# Altium PCB AAS_module_rev1_2_model.PcbDoc
Units mm, origin at the board's own origin, x right, y up, seen from the top; angles counter-clockwise.
Board outline 73 x 73 mm, 2 copper layers (Component Side, Bottom Layer), stack 0.971 mm thick; 63 components, 81 nets, 314 pads, 0 vias.
Unrouted connection lines stored in the file: 137.
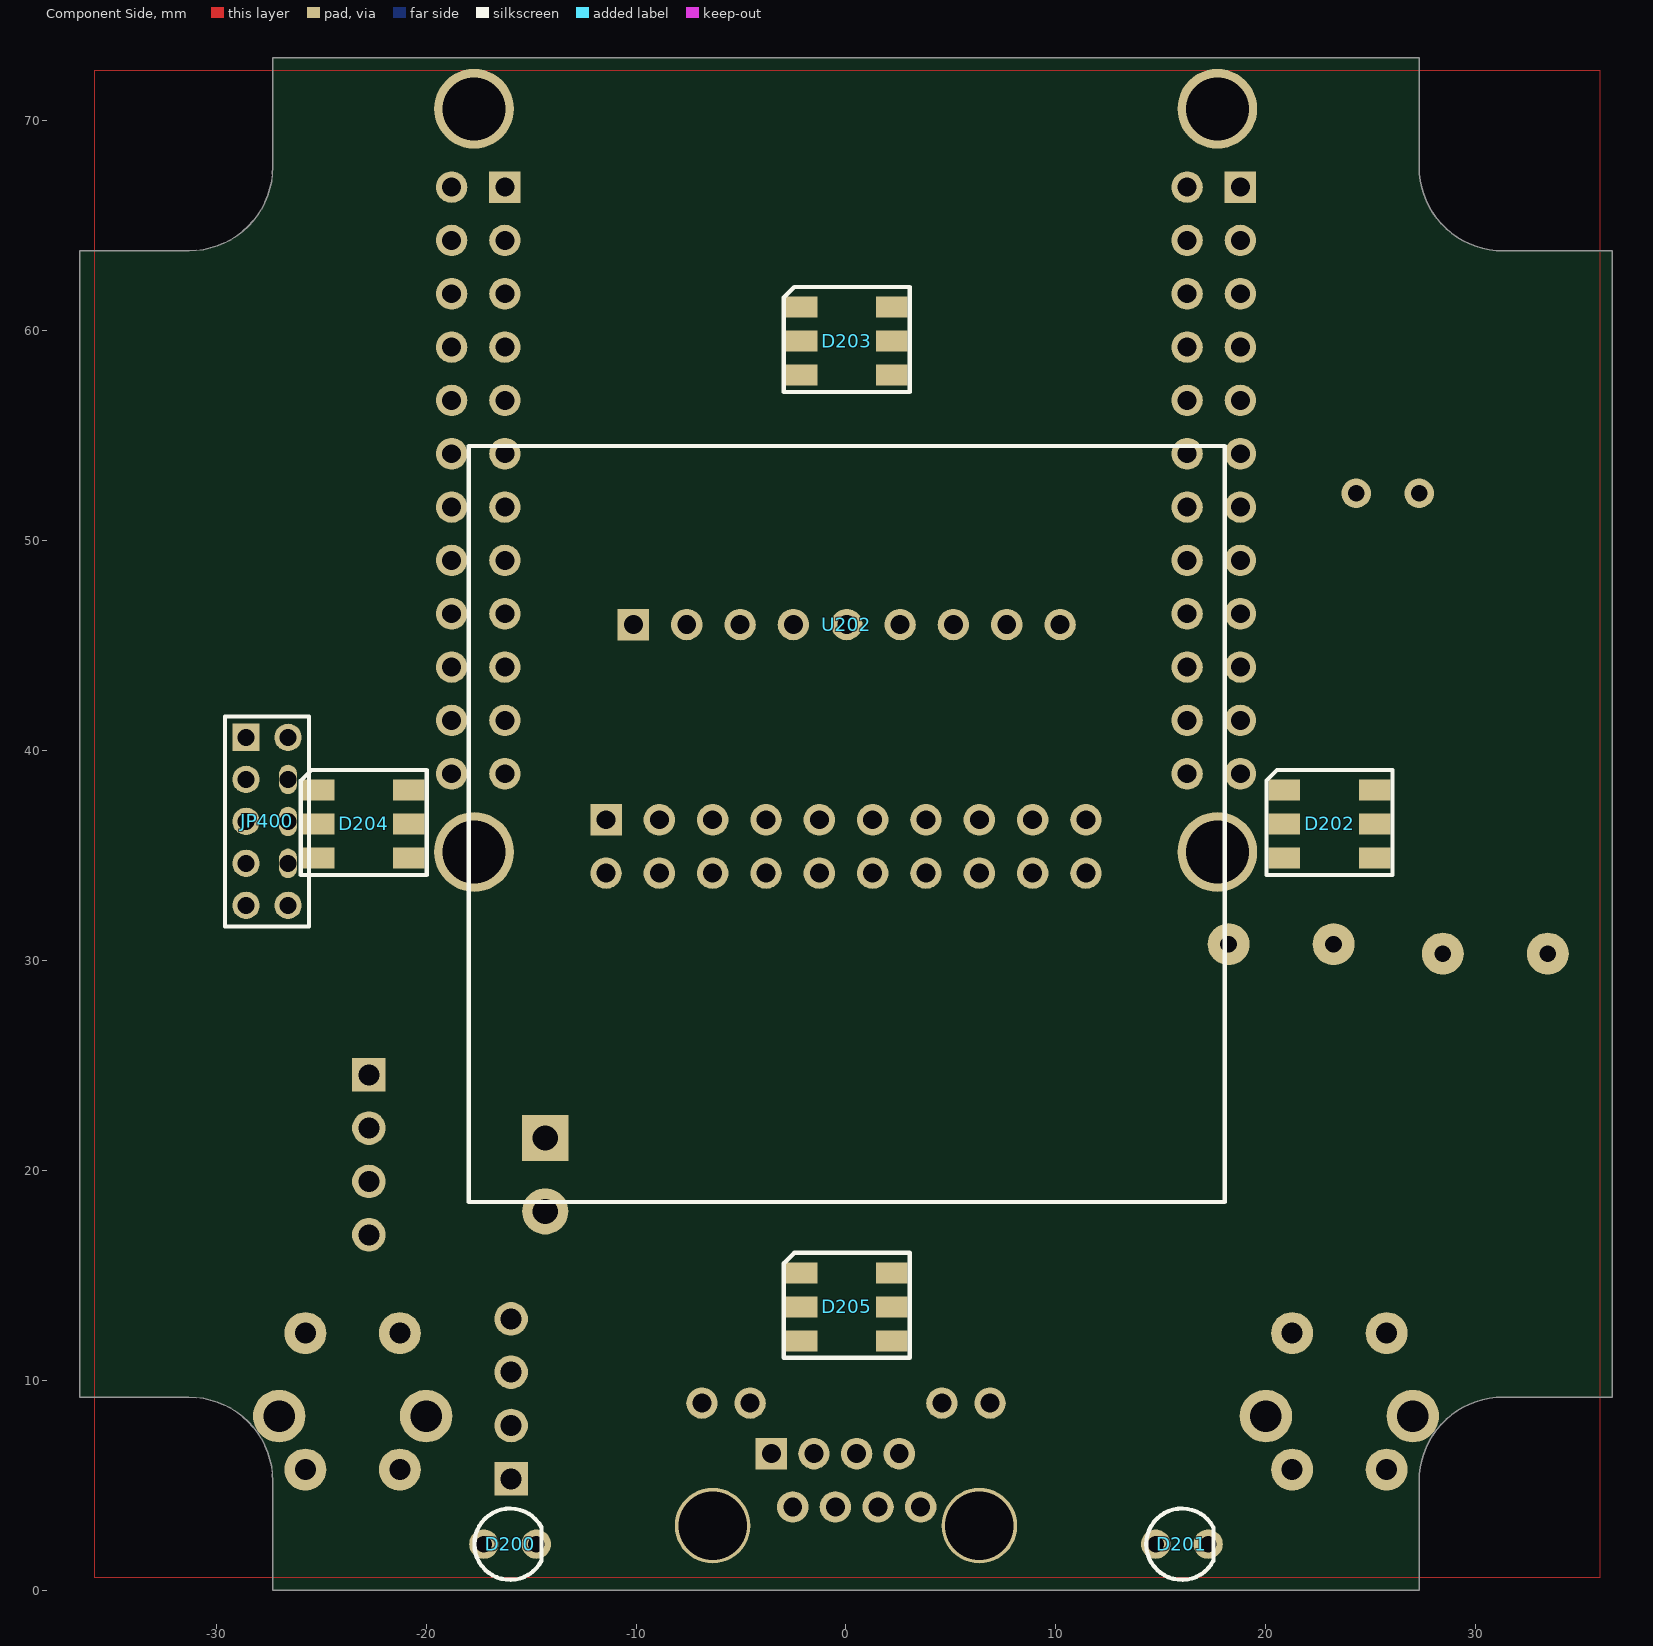
[diagram p0: Component Side view]
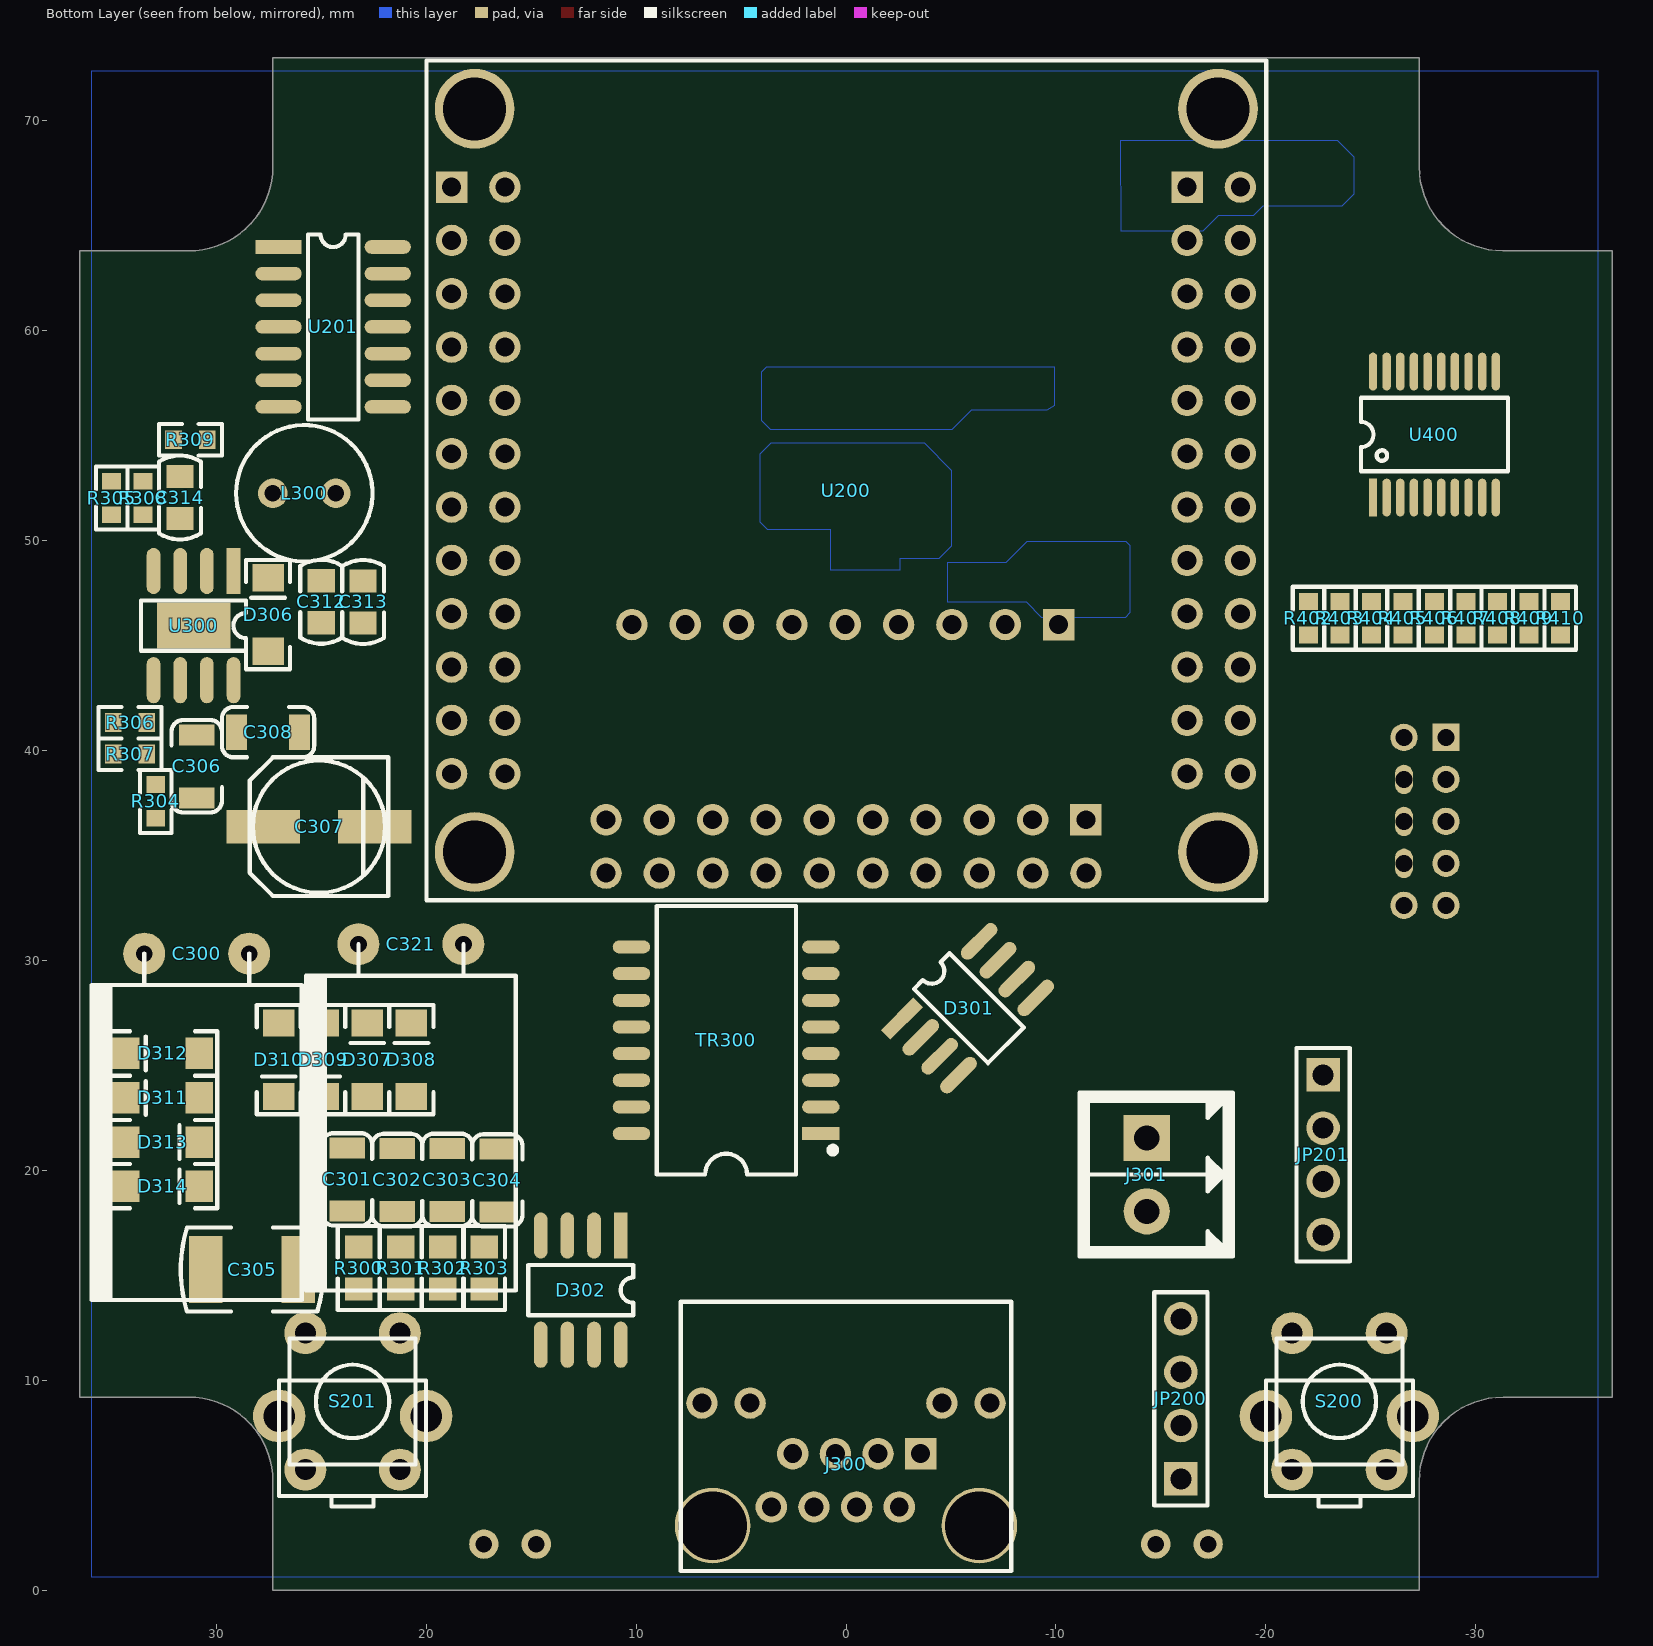
[diagram p1: Bottom Layer view, seen from below]

## Layer stack, top to bottom
Top Solder: solder mask 0.0102, Solder Resist, Dk 3.5
Component Side: signal copper 0.0356
Dielectric 1: core 0.9, FR-4, Dk 4.2
Bottom Layer: signal copper 0.0356
Solder Side: solder mask 0.0102, Solder Resist, Dk 3.5

## Board outline
-36.5,9.2 -31.3,9.2 cw(c-31.3,5.2) -27.3,5.2 -27.3,0 27.3,0 27.3,5.2 cw(c31.3,5.2) 31.3,9.2 36.5,9.2 36.5,63.8 31.3,63.8 cw(c31.3,67.8) 27.3,67.8 27.3,73 -27.3,73 -27.3,67.8 cw(c-31.3,67.8) -31.3,63.8 -36.5,63.8

## Design rules (kind name [scope] priority, off if disabled: settings)
Clearance pH_PROBE [InNetClass('pH_PROBE') vs not( HasFootprint('SOT-25') OR InNet('GND2'))] p1: gap=0.8 ignorepadtopadclearanceinfootprint=FALSE
Clearance "Polygons next to SMPS" [inPoly vs InNetClass('HIGH VOLTAGE')] p2: gap=0.2 ignorepadtopadclearanceinfootprint=FALSE
Clearance Outline [IsBoardCutoutRegion] p3: gap=0 ignorepadtopadclearanceinfootprint=FALSE
Clearance "Pod PMU" [HasFootprint('PMUE-R1.1')] p4: gap=0.2 ignorepadtopadclearanceinfootprint=FALSE
Clearance "AC Input - HV" [InNetClass('AC INPUT') vs InNetClass('HIGH VOLTAGE')] p5: gap=3.2 ignorepadtopadclearanceinfootprint=FALSE
Clearance HV-LV [InNetClass('HIGH VOLTAGE') vs not InNetClass('HIGH VOLTAGE')] p6: gap=8.2 ignorepadtopadclearanceinfootprint=FALSE
Clearance N [InNet('N') vs not( InNet('N') OR HasFootprint('R1206_S') OR InNet('NetR17_2'))] p7: gap=3 ignorepadtopadclearanceinfootprint=FALSE
Clearance "Relay COM and NO" [InNetClass('RELAY_COM') vs InNetClass('RELAY_NO')] p8: gap=1.5 ignorepadtopadclearanceinfootprint=FALSE
Clearance Global [All] p9: gap=0.2 ignorepadtopadclearanceinfootprint=FALSE except(0: Arc-Hole Track-Hole SMDPad-Hole THPad-Hole Via-Hole Fill-Hole Poly-Hole Region-Hole Text-Hole)
ComponentClearance ComponentClearance_2 [All] p1 off: gap=0.254 collisioncheckmode=3 verticalgap=0.254 showdistances=FALSE
ComponentClearance [All] p2 off: gap=0.254 collisioncheckmode=3 verticalgap=0.254 showdistances=FALSE
DiffPairsRouting ETHERNET_GAP [InDifferentialPairClass('ETHERNET')] p1: maxlimit=0.508 minlimit=0.305 mostfreqgap=0.305 toplayer_minwidth=0.152 toplayer_maxwidth=0.305 toplayer_prefwidth=0.305 bottomlayer_minwidth=0.152 bottomlayer_maxwidth=0.305 bottomlayer_prefwidth=0.305 maxuncoupledlength=10
DiffPairsRouting USB_GAP [InDifferentialPairClass('USB')] p2: maxlimit=0.508 minlimit=0.203 mostfreqgap=0.305 toplayer_minwidth=0.152 toplayer_maxwidth=0.203 toplayer_prefwidth=0.203 bottomlayer_minwidth=0.152 bottomlayer_maxwidth=0.203 bottomlayer_prefwidth=0.203 maxuncoupledlength=10
FabricationTestPointUsage TestPointUsage [All] p1: valid=0 allowmultiple=FALSE
FabricationTestpoint Testpoint [All] p1: side=3 testpointundercomponent=TRUE minsize=1.016 maxsize=2.54 preferedsize=1.524 minholesize=0.508 maxholesize=1.016 preferedholesize=0.813 testpointgrid=0.025 allowsidetop=TRUE allowsidebottom=TRUE usegrid=TRUE gridtolerance=0
Height [All] p1: minheight=0 maxheight=35 prefheight=12.7
HoleSize [All] p1: absolutevalues=TRUE maxlimit=6 minlimit=0.3 maxpercent=80.000 minpercent=20.000
MaxMinImpedance [InNetClass('HDMI')] p1: minimum=90,00 maximum=110,0
MinimumSolderMaskSliver [All] p1: minsoldermaskwidth=0.145
PolygonConnect DIODE [IsNamedPolygon('NETC18_1_L01_P010')  OR IsNamedPolygon('NETC18_1_L02_P011')    OR IsNamedPolygon('NETC22_1_L01_P015')    OR IsNamedPolygon('DIODE_C_BOTTOM')] p1: connectstyle=Direct reliefconductorwidth=0.254 reliefentries=4 polygonreliefangle="90 Angle" airgapwidth=0.254
PolygonConnect "Spacer holes" [(ObjectKind = 'Pad') And (Net = 'GND') And (AsMM(HoleDiameter) = 2)] p2: connectstyle=Direct reliefconductorwidth=0.254 reliefentries=4 polygonreliefangle="90 Angle" airgapwidth=0.254
PolygonConnect [All] p3: thpad.connectstyle=Relief thpad.reliefconductorwidth=0.4 thpad.reliefentries=4 thpad.polygonreliefangle="90 Angle" thpad.airgapwidth=0.254 smdpad.connectstyle=Relief smdpad.reliefconductorwidth=0.25 smdpad.reliefentries=4 smdpad.polygonreliefangle="90 Angle" smdpad.airgapwidth=0.2 via.connectstyle=Direct via.reliefconductorwidth=0.254 via.reliefentries=4 via.polygonreliefangle="90 Angle" via.airgapwidth=0.254
RoomDefinition Designator [InComponentClass('Designator')] p1: confinementstyle=ConfineOut formatcopy=TRUE lockcomponents=FALSE outline -80.752,-69.325 -34.625,-69.325 -34.625,-56.299 -80.752,-56.299
RoomDefinition U_AAS_module_MCU-rev1_1 [InComponentClass('U_AAS_module_MCU-rev1_1')] p2: confinementstyle=ConfineOut formatcopy=TRUE lockcomponents=FALSE outline 47.208,-167.475 83.71,-167.475 83.71,-128.448 47.208,-128.448
RoomDefinition AAS_module_TOP-rev1_1 [InComponentClass('AAS_module_TOP-rev1_1')] p3: confinementstyle=ConfineOut formatcopy=TRUE lockcomponents=FALSE outline -68.265,-239.425 -17.465,-239.425 -17.465,-214.025 -68.265,-214.025
RoomDefinition U_AAS_module_Power-rev1_1 [InComponentClass('U_AAS_module_Power-rev1_1')] p4: confinementstyle=ConfineOut formatcopy=TRUE lockcomponents=FALSE outline 25.632,-185.575 121.91,-185.575 121.91,-174.091 25.632,-174.091
RoutingVias [All] p1: holewidth=0.3 width=0.7 viastyle="Through Hole" minholewidth=0.3 minwidth=0.6 maxholewidth=1.1 maxwidth=2.4
ShortCircuit "POD MERICIM MODULEM" [HasFootprint('PMUE-R1.1')] p1: allowed=TRUE
ShortCircuit [All] p2: allowed=FALSE
SilkToSilkClearance [All] p1: silktosilkclearance=0
SilkToSolderMaskClearance [IsPad] p1: minsilkscreentomaskgap=0 clearancetoexposedcopper=TRUE
SolderMaskExpansion [All] p1: expansion=0.102
Width [All] p1: maxlimit=5 minlimit=0.15 preferedwidth=0.2
20 further rules are at their usual default settings.

## Classes and differential pairs
component class Designator: JP400 R402 R403 R404 R405 R406 R407 R408 R409 R410 U400
net class POE: NetC301_2 NetC302_2 NetC303_2 NetC304_2 NetC305_1 "PAIR 1-2" "PAIR 3-6" "PAIR 4-5" "PAIR 7-8"
component class U_AAS_module_Power-rev1_1: C300 C301 C302 C303 C304 C305 C306 C307 C308 C312 C313 C314 C321 D301 D302 D306 D307 D308 D309 D310 D311 D312 D313 D314 J300 J301 L300 R300 R301 R302 R303 R304 R305 R306 R307 R308 R309 TR300 U300
component class U_AAS_module_MCU-rev1_1: D200 D201 D202 D203 D204 D205 JP200 JP201 S200 S201 U200 U201 U202
differential pair RXin: +RXin_P -RXin_N
differential pair TXin: +TXin_P -TXin_N

## Components (designator, comment, footprint, x,y, rotation, side; value= is the part's Value field where it differs from the comment)
C300 "220u/63V" CAP_D10xL15_P5_HR 30.925,30.325 r270 bottom
C301 "1n/100V" C1206 23.76,19.575 r270 bottom
C302 "1n/100V" C1206 21.374,19.545 r270 bottom
C303 "1n/100V" C1206 18.985,19.55 r270 bottom
C304 "1n/100V" C1206 16.61,19.525 r270 bottom
C305 "1n/2kV" C1812 28.285,15.275 r0 bottom
C306 "100n/100V" C1206 30.925,39.25 r270 bottom
C307 "10u/63V" C_ALU_D6x5.8 25.1,36.375 r270 bottom
C308 "100n/100V" C1206 27.525,40.875 r180 bottom
C312 "47u/6,3V" C0805 24.996,47.085 r270 bottom
C313 "47u/6,3V" C0805 23,47.075 r270 bottom
C314 "6n8" C0805 31.725,52.05 r270 bottom
C321 "220u/63V" CAP_D10xL15_P5_HR 20.725,30.775 r270 bottom
D200 "LED_3mm" LED_THT_3MM_P2.5_GREEN -16,2.2 r0 top locked
D201 "LED_3mm" LED_THT_3MM_P2.5_GREEN 16,2.2 r0 top locked
D202 "LED_APA102" APA102 23.035,36.5 r0 top
D203 "LED_APA102" APA102 0.035,59.5 r0 top
D204 "LED_APA102" APA102 -22.965,36.5 r0 top
D205 "LED_APA102" APA102 0.035,13.5 r0 top
D301 "SLVU2.8-4" SO-8 -5.85,27.725 r135 bottom
D302 "SLVU2.8-4" SO-8 12.635,14.3 r270 bottom
D306 "SKL310" SOD123 27.525,46.475 r90 bottom
D307 "SKL310" SOD123 22.8,25.275 r90 bottom
D308 "SKL310" SOD123 20.7,25.275 r90 bottom
D309 "SKL310" SOD123 24.9,25.275 r270 bottom
D310 "SKL310" SOD123 27.017,25.273 r270 bottom
D311 "SKL310" SOD123 32.55,23.45 r0 bottom
D312 "SKL310" SOD123 32.55,25.575 r0 bottom
D313 "SKL310" SOD123 32.55,21.35 r180 bottom
D314 "SKL310" SOD123 32.55,19.25 r180 bottom
J300 "CON_RJ45-RJHSE-3081" RJHSE-3081 0,6 r180 bottom locked
J301 "ULO-TB01-15RC/3.5-2P" ULO-TB01-15VC-3.5-2P -14.325,19.8 r270 bottom
JP200 "OLED display" HDR1X4 -15.95,9.12 r90 bottom
JP201 "1X4" HDR1X4 -22.725,20.745 r270 bottom
JP400 "2X5" HDR2X5_P2 -27.575,36.625 r270 top
L300 "6100-330K-RC" L_THT_6.5X9.0P3.0 25.8,52.25 r180 bottom
R300 "75R" R0805 23.21,15.35 r90 bottom
R301 "75R" R0805 21.21,15.35 r90 bottom
R302 "75R" R0805 19.21,15.35 r90 bottom
R303 "75R" R0805 17.235,15.35 r90 bottom
R304 "100k" R0603 32.875,37.575 r270 bottom
R305 "3k" R0603 34.975,52.025 r90 bottom
R306 "47k" R0603 34.1,41.325 r180 bottom
R307 "100k" R0603 34.1,39.825 r180 bottom
R308 "750R" R0603 33.475,52.025 r270 bottom
R309 "10k" R0603 31.225,54.8 r0 bottom
R402 "10k" R0603 -22.025,46.3 r270 bottom
R403 "10k" R0603 -23.525,46.3 r270 bottom
R404 "10k" R0603 -25.025,46.3 r270 bottom
R405 "10k" R0603 -26.525,46.3 r270 bottom
R406 "10k" R0603 -28.025,46.3 r270 bottom
R407 "10k" R0603 -29.525,46.3 r270 bottom
R408 "10k" R0603 -31.025,46.3 r270 bottom
R409 "10k" R0603 -32.525,46.3 r270 bottom
R410 "10k" R0603 -34.025,46.3 r270 bottom
S200 "SW-PB" SW-PB_6x6_VH -23.5,9 r180 bottom locked
S201 "SW-PB" SW-PB_6x6_VH 23.5,9 r180 bottom locked
TR300 "XFVOIP-05C" XFVOIP-05 5.71,26.2 r0 bottom
U200 "NanoPi_NEO_Core" NANOPI_NEO_CORE 0,52.363 r270 bottom locked
U201 "74HC00" SO-14 24.425,60.175 r180 bottom
U202 "MFRC522_RobotDyn" MFRC522_ROBOTDYN 0.035,36.5 r270 top
U300 "BD9G341AEFJ" SO-8_EP 31.075,45.95 r270 bottom
U400 "AT42QT2120-XU" TSSOP-20 -28.025,55.05 r90 bottom

## Footprints (in the part's own frame and the unit in brackets; to place one, negate y for a bottom-side part, rotate by r counter-clockwise, add the part's x,y. Pads: shape width x height; smd on the part's side, far side on the other; paste and mask are expansions set on the pad)
APA102 [mm]
  rect 1.5x1 smd: 1(-2.15,1.625) 2(-2.15,0) 3(-2.15,-1.625) 4(2.15,-1.625) 5(2.15,0) 6(2.15,1.625)
  silkscreen extent -3,-2.42 3,2.58, body extent -2.75,-2.47 2.75,2.53, height 1.4
C0805 [mm]
  rect 1.1x1.3 smd: 1(-1,0) 2(1,0)
  silkscreen extent -2,-1 2,1, body extent -1.05,-0.67 1.05,0.67, height 0.75
C1206 [mm]
  rect 1x1.7 smd: 1(-1.5,0) 2(1.5,0)
  silkscreen extent -2.2,-1.2 2.2,1.2, body extent -1.65,-0.85 1.65,0.85, height 0.95
C1812 [mm]
  rect 1.6x3.2 smd: 1(-2.2,0) 2(2.2,0)
  silkscreen extent -3.4,-2 3.4,2, body extent -2.25,-1.6 2.25,1.6, height 1.3
C_ALU_D6x5.8 [mm] "Aluminium D6mm H5.8mm"
  rect 1.6x3.5 smd: 1(0,-2.65) 2(0,2.65)
  silkscreen extent -3.3,-3.3 3.3,3.3, body extent -3.3,-3.9 3.3,3.9, height 5.5
CAP_D10xL15_P5_HR [mm] "Capacitor radial - diameter 10mm, length 15mm, pitch 5mm, Horizontal right"
  round 2 hole 0.8: 1(0,2.5) 2(0,-2.5)
  silkscreen extent 0,-5 16.5,5
HDR1X4 [mm] "Header 1x4"
  rect 1.6x1.6 hole 1: 1(-3.81,0)
  round 1.6 hole 1: 2(-1.27,0) 3(1.27,0) 4(3.81,0)
  silkscreen extent -5.08,-1.27 5.08,1.27, body extent -5.08,-1.27 5.08,1.27, height 9.5
HDR2X5_P2 [mm] "Header 2x5, pitch 2mm"
  rect 1.3x1.3 hole 0.8: 1(-4,-1)
  round 1.3 hole 0.8: 2(-4,1) 3(-2,-1) 5(0,-1) 7(2,-1) 9(4,-1) 10(4,1)
  oval 1.4x0.85 hole 0.8: 4(-2,1) 6(0,1) 8(2,1)
  silkscreen extent -5,-2 5,2, body extent -4.95,-2 4.95,2, height 6.01
L_THT_6.5X9.0P3.0 [mm] "THT inductor D=6.5mm, H=9mm, pitch 3mm"
  round 1.4 hole 0.8: 1(-1.5,0) 2(1.5,0)
  silkscreen extent -3.25,-3.25 3.25,3.25, body extent -3.25,-3.25 3.25,3.25, height 9
LED_THT_3MM_P2.5_GREEN [mm]
  round 1.4 hole 0.8: A(-1.25,0) K(1.25,0)
  silkscreen extent -1.7,-1.7 1.5,1.7, body extent -2,-2 1.5,2, height 5.21
MFRC522_ROBOTDYN [mm]
  rect 1.5x1.5 hole 0.9: 1(-9.5,-10.16)
  round 1.5 hole 0.9: 2(-9.5,-7.62) 3(-9.5,-5.08) 4(-9.5,-2.54) 5(-9.5,0) 6(-9.5,2.54) 7(-9.5,5.08) 8(-9.5,7.62) 9(-9.5,10.16)
  silkscreen extent -18,-18 18,18, body extent -18,-18 18,18, height 2
NANOPI_NEO_CORE [mm]
  round 3.8 hole 3: 0(-18.202,-17.685) 0(-18.202,17.715) 0(17.198,-17.685) 0(17.198,17.715)
  rect 1.5x1.5 hole 0.9: 1(-14.472,16.245) 25(-14.472,-18.785) 49(15.663,11.43)
  round 1.5 hole 0.9: 2(-14.472,18.785) 3(-11.932,16.245) 4(-11.932,18.785) 5(-9.392,16.245) 6(-9.392,18.785) 7(-6.852,16.245) 8(-6.852,18.785) 9(-4.312,16.245) 10(-4.312,18.785) 11(-1.772,16.245) 12(-1.772,18.785) 13(0.768,16.245) 14(0.768,18.785) 15(3.308,16.245) 16(3.308,18.785) 17(5.848,16.245) 18(5.848,18.785) 19(8.388,16.245) 20(8.388,18.785) 21(10.928,16.245) 22(10.928,18.785) 23(13.468,16.245) 24(13.468,18.785) 26(-14.472,-16.245) 27(-11.932,-18.785) 28(-11.932,-16.245) 29(-9.392,-18.785) 30(-9.392,-16.245) 31(-6.852,-18.785) 32(-6.852,-16.245) 33(-4.312,-18.785) 34(-4.312,-16.245) 35(-1.772,-18.785) 36(-1.772,-16.245) 37(0.768,-18.785) 38(0.768,-16.245) 39(3.308,-18.785) 40(3.308,-16.245) 41(5.848,-18.785) 42(5.848,-16.245) 43(8.388,-18.785) 44(8.388,-16.245) 45(10.928,-18.785) 46(10.928,-16.245) 47(13.468,-18.785) 48(13.468,-16.245) 50(18.203,11.43) 51(15.663,8.89) 52(18.203,8.89) 53(15.663,6.35) 54(18.203,6.35) 55(15.663,3.81) 56(18.203,3.81) 57(15.663,1.27) 58(18.203,1.27) 59(15.663,-1.27) 60(18.203,-1.27) 61(15.663,-3.81) 62(18.203,-3.81) 63(15.663,-6.35) 64(18.203,-6.35) 65(15.663,-8.89) 66(18.203,-8.89) 67(15.663,-11.43) 68(18.203,-11.43)
  silkscreen extent -20.5,-19.98 19.5,20.01, body extent -20.5,-19.98 19.5,20.01, height 2.5
R0603 [mm]
  rect 0.8x0.9 smd: 1(-0.8,0) 2(0.8,0)
  silkscreen extent -1.5,-0.75 1.5,0.75, body extent -0.85,-0.45 0.85,0.45, height 0.55
R0805 [mm]
  rect 1.1x1.3 smd: 1(-1,0) 2(1,0)
  silkscreen extent -2,-1 2,1, body extent -1.05,-0.67 1.05,0.68, height 0.6
RJHSE-3081 [mm]
  rect 1.5x1.5 hole 0.9: 1(3.555,0.51)
  round 1.5 hole 0.9: 2(2.535,-2.03) 3(1.525,0.51) 4(0.505,-2.03) 5(-0.505,0.51) 6(-1.525,-2.03) 7(-2.535,0.51) 8(-3.555,-2.03) 9(6.86,2.92) 10(4.57,2.92) 11(-4.57,2.92) 12(-6.86,2.92)
  round 3.6 hole 3.25: SH(-6.35,-2.92) SH(6.35,-2.92)
  silkscreen extent -7.87,-5.08 7.88,7.75, body extent -9.27,-5.07 9.02,7.76, height 16.49
SO-8 [mm]
  rect 2.2x0.65 smd: 1(-2.6,1.905)
  oval 2.2x0.65 smd: 2(-2.6,0.635) 3(-2.6,-0.635) 4(-2.6,-1.905) 5(2.6,-1.905) 6(2.6,-0.635) 7(2.6,0.635) 8(2.6,1.905)
  silkscreen extent -1.2,-2.5 1.2,2.5, body extent -3.04,-2.5 3.04,2.5, height 1.75
SO-8_EP [mm]
  rect 2.2x3.5 smd: 0(0,0)
  rect 2.2x0.65 smd: 1(-2.6,1.905)
  oval 2.2x0.65 smd: 2(-2.6,0.635) 3(-2.6,-0.635) 4(-2.6,-1.905) 5(2.6,-1.905) 6(2.6,-0.635) 7(2.6,0.635) 8(2.6,1.905)
  silkscreen extent -1.2,-2.5 1.2,2.5, body extent -3.04,-2.5 3.04,2.5, height 1.75
SO-14 [mm]
  rect 2.2x0.65 smd: 1(-2.6,3.81)
  oval 2.2x0.65 smd: 2(-2.6,2.54) 3(-2.6,1.27) 4(-2.6,0) 5(-2.6,-1.27) 6(-2.6,-2.54) 7(-2.6,-3.81) 8(2.6,-3.81) 9(2.6,-2.54) 10(2.6,-1.27) 11(2.6,0) 12(2.6,1.27) 13(2.6,2.54) 14(2.6,3.81)
  silkscreen extent -1.2,-4.41 1.2,4.41, body extent -3.04,-4.38 3.04,4.37, height 1.75
SOD123 [mm]
  rect 1.3x1.5 smd: A(-1.75,0) K(1.75,0)
  silkscreen extent -2.6,-1.05 2.6,1.05, body extent -1.95,-0.9 1.95,0.9, height 1.18
SW-PB_6x6_VH [mm] "PushButton 6x6 vertical+horizontal"
  round 2.5 hole 1.5: 0(-3.5,-0.7) 0(3.5,-0.7)
  round 2 hole 1: 1(-2.25,3.25) 1(-2.25,-3.25) 2(2.25,3.25) 2(2.25,-3.25)
  silkscreen extent -3.5,-5 3.5,3, body extent -4.36,-11.55 4.36,0.8, height 7.1
TSSOP-20 [mm] "TSSOP-20 pitch 0.65"
  rect 1.8x0.4 smd: 1(-3,2.925)
  oval 1.8x0.4 smd: 2(-3,2.275) 3(-3,1.625) 4(-3,0.975) 5(-3,0.325) 6(-3,-0.325) 7(-3,-0.975) 8(-3,-1.625) 9(-3,-2.275) 10(-3,-2.925) 11(3,-2.925) 12(3,-2.275) 13(3,-1.625) 14(3,-0.975) 15(3,-0.325) 16(3,0.325) 17(3,0.975) 18(3,1.625) 19(3,2.275) 20(3,2.925)
  silkscreen extent -1.75,-3.5 1.75,3.5, body extent -3.2,-3.25 3.2,3.25, height 1.2
ULO-TB01-15VC-3.5-2P [mm]
  rect 2.2x2.2 hole 1.2: 1(-1.75,0)
  round 2.2 hole 1.2: 2(1.75,0)
  silkscreen extent -3.9,-3.2 3.9,4.1, body extent -3.9,-6.45 3.9,4.7, height 18.15
XFVOIP-05 [mm]
  rect 1.78x0.62 smd: 1(-4.51,4.445)
  oval 1.78x0.62 smd: 2(-4.51,3.175) 3(-4.51,1.905) 4(-4.51,0.635) 5(-4.51,-0.635) 6(-4.51,-1.905) 7(-4.51,-3.175) 8(-4.51,-4.445) 9(4.51,-4.445) 10(4.51,-3.175) 11(4.51,-1.905) 12(4.51,-0.635) 13(4.51,0.635) 14(4.51,1.905) 15(4.51,3.175) 16(4.51,4.445)
  silkscreen extent -5.18,-6.4 3.3,6.4, body extent -4.7,-6.35 4.7,6.35, height 6.36

## Part data
C300 C321: library part C_ELYT, "Electrolytic Capacitor", TME=EGT477M1JI20RRSHP
C301 C302 C303 C304 C306 C308: library part C_1206, "Capacitor SMD 1206"
C305: library part C_1812, "Capacitor SMD 1812"
C307: library part C_ALU, "Electrolytic Aluminium Capacitor"
C312 C313 C314: library part C_0805, "Capacitor SMD 0805"
D200 D201: "LED 3mm"
D202 D203 D204 D205: "Intelligent control LED integrated light source"
D301 D302: "EPD TVS Diode Array  For ESD and Latch-Up Protection"
D306 D307 D308 D309 D310 D311 D312 D313 D314: library part 1N4007, "Diode"
J301: library part CON_ULO-TB01-15RC/3.5-2P, "Connector 15EDG pitch 3.5mm Right Angle"
JP200 JP201: library part "Header 1X4", "Header, 4-Pin, Single row"
JP400: library part "Header 2X5", "Header, 10-Pin, Dual row"
L300: library part INDUCTOR
R300 R301 R302 R303: library part R_0805, "Resistor SMD 0805"
R304 R305 R306 R307 R308 R309 R402 R403 R404 R405 R406 R407 R408 R409 R410: library part R_0603, "Resistor SMD 0603"
S200 S201: "Push Button"
TR300: library part XFVOIP-05, "LAN magnetics with filter", LCSC=HY601742
U201: "Quad 2-input NAND gate"
U300: "12V to 76V input voltage range 3A output current"
U400: "Twelve-channel QTouch® Touch Sensor IC"
U202: Part Field 2=CORE, Part Field 3=BOTTOM, Part Field 4=AUTOMAT

## Nets (pads, with @x,y where several pads share a name; then routed paths per layer and width w, separated by ;. In a path a pad name is that pad's centre, name@x,y a point inside that pad or via, vN(x,y) a via of type N, cw(c..) or ccw(c..) an arc to the next point about the centre after c; other vN are vias at no path point)
0: JP400.1 R410.2
1: JP400.2 R409.2
2: JP400.3 R408.2
3: JP400.4 R407.2
3V3: D200.A D201.A JP200.3 U200.1 U200.17 U200.68 U400.11
4: JP400.5 R406.2
5: JP400.6 R405.2
5V: C312.1 C313.1 D202.1 D203.1 D204.1 D205.1 JP201.1 L300.2 R305.2 U200.2 U200.4 U200.25 U200.46 U200.65 U200.67 U201.14 U202.9
6: JP400.7 R404.2
7: JP400.8 R403.2
C\H\A\N\G\E\: U200.37 U400.17
CASE: C305.2 J300.SH
G: JP400.9 R402.2
GND: C300.2 C307.2 C308.2 C312.2 C313.2 C321.2 D202.3 D203.3 D204.3 D205.3 D306.A D309.A D310.A D313.A D314.A JP200.4 JP201.4 R306.1 R307.1 R308.1 R309.1 S200.1 S201.1 U200.6 U200.9 U200.14 U200.20 U200.47 U200.48 U200.59 U200.60 U201.7 U202.6 U300.0 U300.2 U400.10 U400.12
I2C0_SCL: JP200.2 U200.5 U400.16
I2C0_SDA: JP200.1 U200.3 U400.13
LED1: U200.15
LED2: U200.13
LED_CLOCK: D202.2 U201.11
LED_CS: U200.12 U201.2 U201.5
LED_DATA: U201.8
LED_LINK: J300.11 U200.49
LED_SPEED: J300.9 U200.50
LG+: J300.12
LY+: J300.10
NetC301_2: C301.2 R300.2
NetC302_2: C302.2 R301.2
NetC303_2: C303.2 R302.2
NetC304_2: C304.2 R303.2
NetC305_1: C305.1 R300.1 R301.1 R302.1 R303.1
NetC306_1: C306.1 U300.7
NetC306_2: C306.2 D306.K L300.1 U300.1
NetC314_1: C314.1 R309.2
NetC314_2: C314.2 U300.3
NetD200_K: D200.K
NetD201_K: D201.K
NetD202_5: D202.5 D203.2
NetD202_6: D202.6
NetD203_5: D203.5 D204.2
NetD203_6: D203.6
NetD204_5: D204.5 D205.2
NetD204_6: D204.6
NetD300_A: J301.1
NetD303_A: J301.2
NetR304_1: R304.1 R307.2 U300.6
NetR305_1: R305.1 R308.2 U300.4
NetR306_2: R306.2 U300.5
NetR402_1: R402.1 U400.1
NetR403_1: R403.1 U400.2
NetR404_1: R404.1 U400.3
NetR405_1: R405.1 U400.4
NetR406_1: R406.1 U400.5
NetR407_1: R407.1 U400.6
NetR408_1: R408.1 U400.7
NetR409_1: R409.1 U400.8
NetR410_1: R410.1 U400.9
NetU201_3: U201.3 U201.9 U201.10
NetU201_6: U201.6 U201.12 U201.13
O_LED_CLOCK: D205.5 JP201.3
O_LED_DATA: D205.6 JP201.2
"PAIR 1-2": C302.1 D312.A D314.K TR300.15
"PAIR 3-6": C301.1 D311.A D313.K TR300.10
"PAIR 4-5": C304.1 D308.A D310.K J300.4 J300.5
"PAIR 7-8": C303.1 D307.A D309.K J300.7 J300.8
PB1: S201.2 U200.18
PB2: S200.2 U200.16
R\e\a\d\e\r\_\R\S\T\: U200.62 U202.7
R\E\S\E\T\: U200.7 U400.14
RX_N: D301.1 D301.8 TR300.8 U200.54
RX_P: D301.2 D301.7 TR300.6 U200.53
RXin_N: D302.4 D302.5 J300.6 TR300.9
RXin_P: D302.3 D302.6 J300.3 TR300.11
SPI0_CLK: U200.23 U201.4 U202.2
SPI0_CS: U200.24 U202.1
SPI0_MISO: U200.21 U202.4
SPI0_MOSI: U200.19 U201.1 U202.3
TX_N: D301.3 D301.6 TR300.3 U200.52
TX_P: D301.4 D301.5 TR300.1 U200.51
TXin_N: D302.2 D302.7 J300.2 TR300.14
TXin_P: D302.1 D302.8 J300.1 TR300.16
Vin: C300.1 C307.1 C308.1 C321.1 D307.K D308.K D311.K D312.K R304.2 U300.8
pads on no net: D202.4 D203.4 D204.4 D205.4 JP400.10 S200.0 S201.0 TR300.2 TR300.4 TR300.5 TR300.7 TR300.12 TR300.13 U200.0 U200.8 U200.10 U200.11 U200.22 U200.26 U200.27 U200.28 U200.29 U200.30 U200.31 U200.32 U200.33 U200.34 U200.35 U200.36 U200.38 U200.39 U200.40 U200.41 U200.42 U200.43 U200.44 U200.45 U200.55 U200.56 U200.57 U200.58 U200.61 U200.63 U200.64 U200.66 U202.5 U202.8 U400.15 U400.18 U400.19 U400.20

## Polygon pours and split planes (outlines as drawn)
GND on Bottom Layer "Bottom Layer-GND" (solid, shelved, pour order 18): -35.815,0.625 35.935,0.625 35.935,72.375 -35.815,72.375
no net on Bottom Layer "Bottom Layer-GNDE" (solid, shelved, pour order 12): -13.09,69.075 -23.39,69.075 -24.19,68.275 -24.19,66.5 -23.615,65.925 -19.84,65.925 -19.39,65.475 -17.74,65.475 -16.99,64.725 -13.115,64.725
no net on Bottom Layer "Bottom Layer-No Net" (solid, shelved, pour order 10): -13.09,69.075 -23.39,69.075 -24.19,68.275 -24.19,66.5 -23.615,65.925 -19.84,65.925 -19.39,65.475 -17.74,65.475 -16.99,64.725 -13.115,64.725
no net on Bottom Layer "Bottom Layer-No Net 1" (solid, shelved, pour order 8): -13.09,69.075 -23.39,69.075 -24.19,68.275 -24.19,66.5 -23.615,65.925 -19.84,65.925 -19.39,65.475 -17.74,65.475 -16.99,64.725 -13.115,64.725
no net on Bottom Layer "Bottom Layer-GNDE 1" (solid, shelved, pour order 6): -13.09,69.075 -23.39,69.075 -24.19,68.275 -24.19,66.5 -23.615,65.925 -19.84,65.925 -19.39,65.475 -17.74,65.475 -16.99,64.725 -13.115,64.725
NetC306_2 on Bottom Layer "Bottom Layer-NetC314_2" (solid, shelved, pour order 0): 0.735,48.575 0.735,50.525 3.735,50.525 4.085,50.875 4.085,54.125 3.56,54.65 -3.715,54.65 -5.015,53.35 -5.015,51.342 -5.015,49.731 -4.409,49.125 -2.565,49.125 -2.565,48.575
5V on Bottom Layer "Bottom Layer-5V" (solid, shelved, pour order 4): 3.585,55.275 4.01,55.7 4.01,58.05 3.785,58.275 -9.915,58.275 -9.915,56.423 -9.565,56.2 -5.965,56.2 -5.04,55.275 -3.565,55.275
Vin on Bottom Layer "Bottom Layer-24V" (solid, shelved, pour order 2): -4.84,47.05 -4.84,48.975 -7.64,48.975 -8.64,49.975 -13.315,49.975 -13.515,49.775 -13.515,46.55 -13.29,46.325 -9.33,46.325 -8.605,47.05
GND on Component Side "Component Side-GND" (solid, shelved, pour order 22): -35.815,0.625 35.935,0.625 35.935,72.375 -35.815,72.375

## Silkscreen, mask and mechanical layers (free items; w line width, h text height)
Top popis dokumentac:
  lines w0.254: 77.385,149.927 150.335,149.927 ; 77.385,155.052 150.36,155.052 ; 121.392,144.225 121.392,149.927 ; 77.385,144.225 150.31,144.225 150.31,162.275 77.385,162.275 77.385,144.225
  text ".Pcb_File_Name_No_Path" at 78.904,157.208 h3
  text "Variant .VariantName" at 78.829,151.458 h2.03
  text ".Printout_Name" at 79.029,146.158 h2.03
  text ".Print_Date" at 122.535,146.025 h2.03
Bottom popis dokumentace:
  lines w0.254: 77.385,149.927 150.335,149.927 ; 77.385,155.052 150.36,155.052 ; 106.352,144.05 106.352,149.752 ; 77.385,144.05 150.36,144.05 150.36,162.1 77.385,162.1 77.385,144.05
  text ".Pcb_File_Name_No_Path" at 148.841,157.033 h3
  text "Variant .VariantName" at 148.916,151.283 h2.03
  text ".Printout_Name" at 148.716,145.983 h2.03
  text ".Print_Date" at 105.21,145.85 h2.03
Outline:
  lines w0.2: 0,-1.6 0,3.6 ; -36.5,9.2 -31.3,9.2 cw(c-31.3,5.2) -27.3,5.2 -27.3,0 27.3,0 27.3,5.2 cw(c31.3,5.2) 31.3,9.2 36.5,9.2 36.5,63.8 31.3,63.8 cw(c31.3,67.8) 27.3,67.8 27.3,73 -27.3,73 -27.3,67.8 cw(c-31.3,67.8) -31.3,63.8 -36.5,63.8 -36.5,9.2
Mechanical 15:
  circle w0.006: c0,36.5 r0.003
  lines w0.013: -18.25,18.25 18.25,54.75 ; -18.25,18.25 18.25,18.25 ; -18.25,18.25 -18.25,54.75 ; -18.25,54.75 18.25,18.25 ; -18.25,54.75 18.25,54.75 ; 18.25,18.25 18.25,54.75
Mechanical 17:
  lines w0.254: -25.965,34.075 -25.965,39.075 -25.465,39.075 -19.965,39.075 -19.965,34.075 -25.965,34.075 ; -17.965,18.5 -17.965,54.5 17.975,54.5 18.035,54.5 18.035,18.5 -17.965,18.5 ; -2.965,11.075 3.035,11.075 3.035,16.075 -2.465,16.075 -2.965,16.075 -2.965,11.075 ; -2.965,57.075 -2.965,62.075 -2.465,62.075 3.035,62.075 3.035,57.075 -2.965,57.075 ; 20.035,34.075 20.035,39.075 20.535,39.075 26.035,39.075 26.035,34.075 20.035,34.075